# KiCad board crowkb_46.kicad_pcb
title: crowkb_46; rev: v1.0.0; company: Unknown
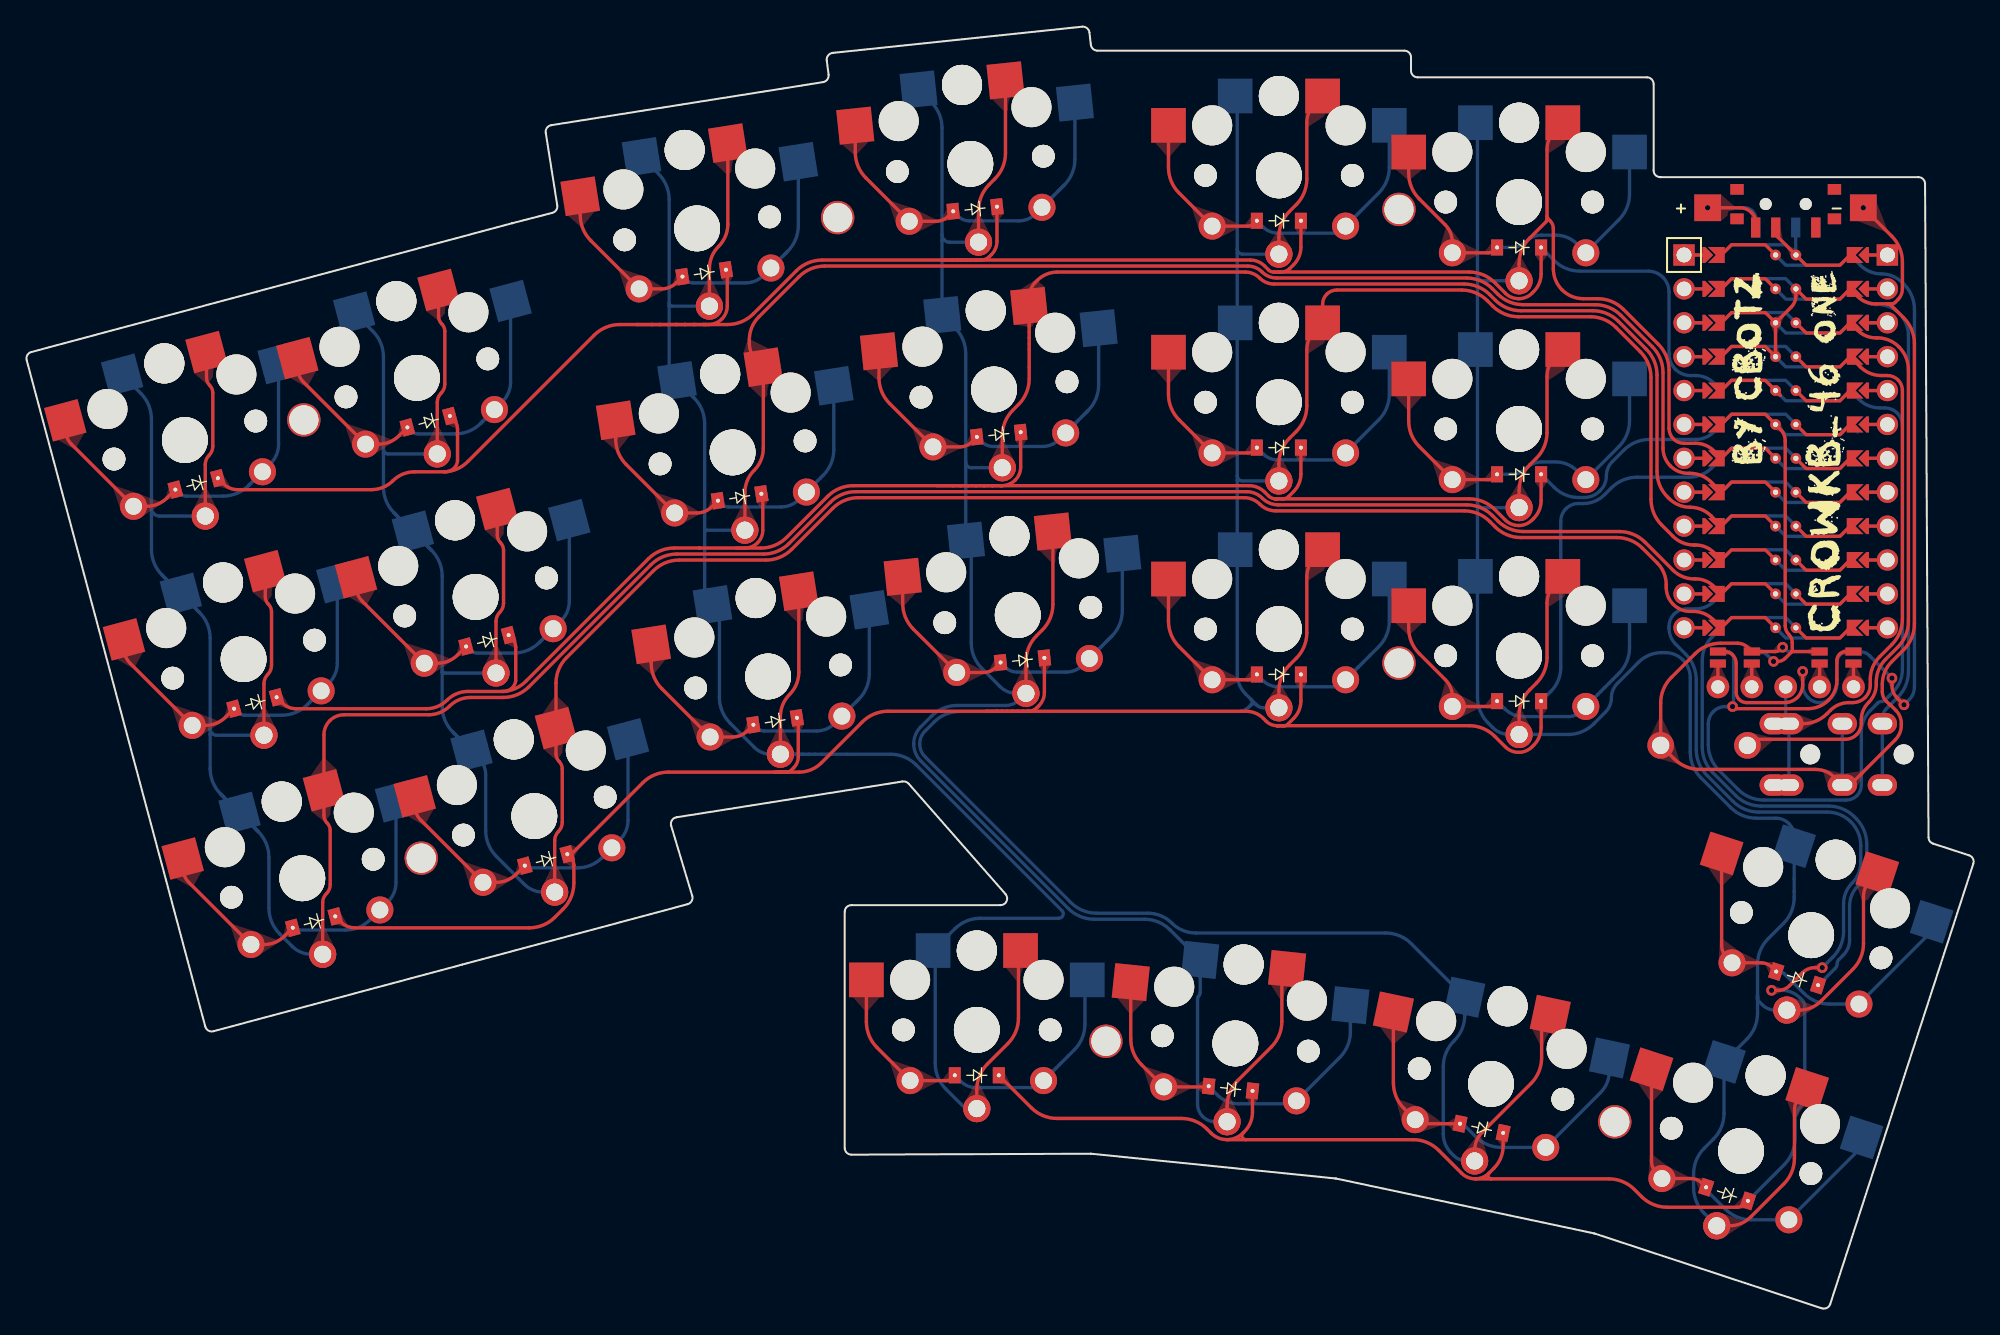
[diagram p0: board, top side]
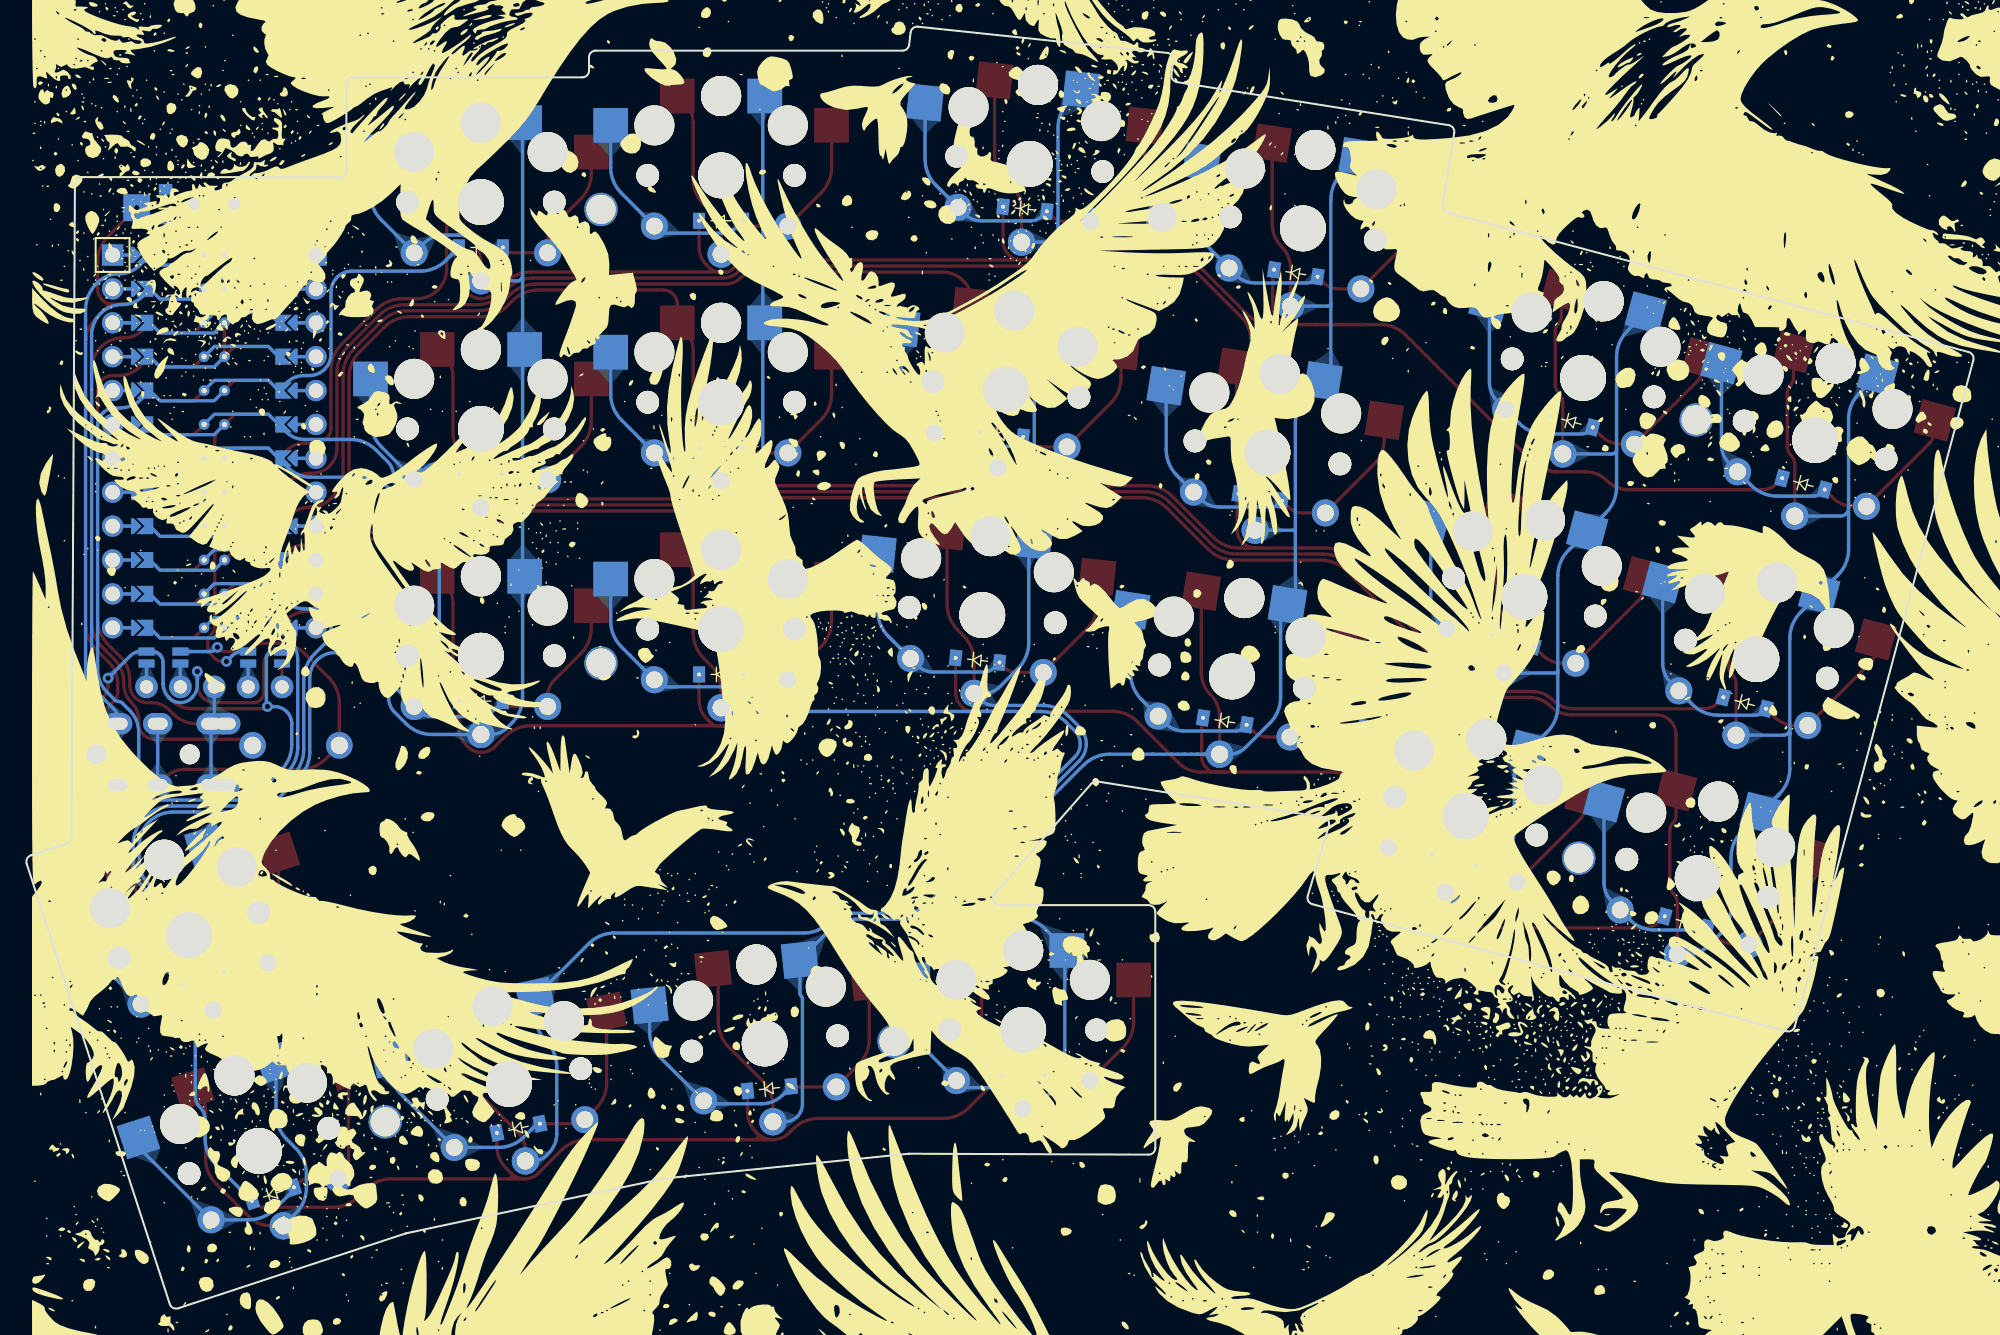
[diagram p1: board, bottom side, seen from below]

Outline 145.87 x 96.05 mm; copper layers: Top, Bottom. Coordinates in mm from the lower left corner of the outline.
Outline path: 0,71.06 arc(0.05,71.44) 0.35,71.67 36.38,81.32 arc(36.38,81.32) 36.38,81.33 39.39,82.1 arc(39.68,82.31) 39.76,82.66 38.9,88.1 arc(38.99,88.47) 39.31,88.67 59.67,91.9 arc(60,92.09) 60.09,92.45 59.95,93.53 arc(60.06,93.9) 60.4,94.09 79.09,96.05 arc(79.45,95.95) 79.64,95.61 79.74,94.7 arc(79.91,94.38) 80.24,94.26 103.24,94.26 arc(103.59,94.11) 103.74,93.76 103.74,92.76 arc(103.88,92.4) 104.24,92.26 121.42,92.26 arc(121.77,92.11) 121.92,91.76 121.92,85.28 arc(122.06,84.92) 122.42,84.78 141.76,84.78 arc(142.11,84.63) 142.26,84.28 142.52,35.3 arc(142.61,35) 142.86,34.82 145.55,33.95 arc(145.84,33.7) 145.87,33.32 135.15,0.32 arc(134.9,0.03) 134.52,0 117.5,5.6 arc(117.47,5.61) 117.45,5.62 98.13,9.72 arc(98.1,9.73) 98.08,9.73 79.78,11.58 arc(79.75,11.59) 79.72,11.59 61.8,11.52 arc(61.45,11.66) 61.3,12.02 61.3,29.72 arc(61.45,30.07) 61.8,30.22 72.98,30.22 arc(73.43,30.51) 73.35,31.05 66.09,39.32 arc(65.88,39.46) 65.64,39.48 48.7,36.8 arc(48.35,36.57) 48.29,36.16 49.87,30.91 arc(49.83,30.53) 49.52,30.29 13.99,20.77 arc(13.61,20.82) 13.38,21.12 0,71.06

## Placement (name value [footprint] x y rotation side)
_1  -  [ProMicro]  131.82 64.97 270 top
_2  -  [ComboDiode]  21.53 28.95 195 top
_3  -  [ComboDiode]  17.13 45.37 195 top
_4  -  [ComboDiode]  12.73 61.79 195 top
_5  -  [ComboDiode]  38.92 33.61 195 top
_6  -  [ComboDiode]  34.52 50.03 195 top
_7  -  [ComboDiode]  30.12 66.45 195 top
_8  -  [ComboDiode]  56.09 44 189 top
_9  -  [ComboDiode]  53.43 60.79 189 top
_10  -  [ComboDiode]  50.77 77.58 189 top
_11  -  [ComboDiode]  74.62 48.57 186 top
_12  -  [ComboDiode]  72.85 65.48 186 top
_13  -  [ComboDiode]  71.07 82.39 186 top
_14  -  [ComboDiode]  93.84 47.51 180 top
_15  -  [ComboDiode]  93.84 64.51 180 top
_16  -  [ComboDiode]  93.84 81.51 180 top
_17  -  [ComboDiode]  111.84 45.51 180 top
_18  -  [ComboDiode]  111.84 62.51 180 top
_19  -  [ComboDiode]  111.84 79.51 180 top
_20  -  [ComboDiode]  71.2 17.47 180 top
_21  -  [ComboDiode]  90.22 16.47 174 top
_22  -  [ComboDiode]  109.03 13.49 168 top
_23  -  [ComboDiode]  127.42 8.56 162 top
_24  -  [ComboDiode]  132.67 24.73 162 top
DISP1  -  [display_nice_view]  131.82 63.27 0 top
G***  LOGO  [bycbotz]  129.05 70.43 90 top
G***#2  LOGO  [crowkb_46]  134.75 60.73 90 top
G***#3  LOGO  [one]  134.65 75.03 90 top
G***#4  LOGO  [crow_splatter]  70.3 30.01 180 bottom
NOREF  -  [DrillHole]  102.84 82.36 0 top
NOREF#2  -  [DrillHole]  80.87 20.02 0 top
NOREF#3  -  [DrillHole]  29.57 33.74 15 top
NOREF#4  -  [DrillHole]  60.77 81.74 9 top
NOREF#5  -  [DrillHole]  102.84 48.36 0 top
NOREF#6  -  [DrillHole]  20.77 66.58 15 top
NOREF#7  -  [DrillHole]  119.01 13.98 342 top
PAD1  -  [SMDPad]  125.97 82.48 0 top
PAD2  -  [SMDPad]  137.63 82.48 0 top
PWR1  -  [power_switch_smd_side]  131.82 82.74 90 top
RST1  -  [reset_switch_tht_top]  125.7 42.19 0 top
S1  -  [PG1350#2]  20.65 32.23 15 top
S2  -  [PG1350#2]  16.25 48.65 15 top
S3  -  [PG1350#2]  11.85 65.07 15 top
S4  -  [PG1350#2]  38.04 36.89 15 top
S5  -  [PG1350#2]  33.64 53.31 15 top
S6  -  [PG1350#2]  29.24 69.73 15 top
S7  -  [PG1350#3]  55.56 47.35 9 top
S8  -  [PG1350#3]  52.9 64.15 9 top
S9  -  [PG1350#3]  50.24 80.94 9 top
S10  -  [PG1350#2]  74.27 51.96 6 top
S11  -  [PG1350#2]  72.49 68.86 6 top
S12  -  [PG1350#2]  70.71 85.77 6 top
S13  -  [PG1350#2]  93.84 50.91 0 top
S14  -  [PG1350#2]  93.84 67.91 0 top
S15  -  [PG1350#2]  93.84 84.91 0 top
S16  -  [PG1350#2]  111.84 48.91 0 top
S17  -  [PG1350#2]  111.84 65.91 0 top
S18  -  [PG1350#2]  111.84 82.91 0 top
S19  -  [PG1350#2]  71.2 20.87 0 top
S20  -  [PG1350#2]  90.57 19.85 354 top
S21  -  [PG1350#2]  109.73 16.82 348 top
S22  -  [PG1350#2]  128.47 11.79 342 top
S23  -  [PG1350#2]  133.72 27.96 342 top
S24  -  [PG1350]  20.65 32.23 195 top
S25  -  [PG1350]  16.25 48.65 195 top
S26  -  [PG1350]  11.85 65.07 195 top
S27  -  [PG1350]  38.04 36.89 195 top
S28  -  [PG1350]  33.64 53.31 195 top
S29  -  [PG1350]  29.24 69.73 195 top
S30  -  [PG1350]  55.56 47.35 189 top
S31  -  [PG1350]  52.9 64.15 189 top
S32  -  [PG1350]  50.24 80.94 189 top
S33  -  [PG1350]  74.27 51.96 186 top
S34  -  [PG1350]  72.49 68.86 186 top
S35  -  [PG1350]  70.71 85.77 186 top
S36  -  [PG1350]  93.84 50.91 180 top
S37  -  [PG1350]  93.84 67.91 180 top
S38  -  [PG1350]  93.84 84.91 180 top
S39  -  [PG1350]  111.84 48.91 180 top
S40  -  [PG1350]  111.84 65.91 180 top
S41  -  [PG1350]  111.84 82.91 180 top
S42  -  [PG1350]  71.2 20.87 180 top
S43  -  [PG1350]  90.57 19.85 174 top
S44  -  [PG1350]  109.73 16.82 168 top
S45  -  [PG1350]  128.47 11.79 162 top
S46  -  [PG1350]  133.72 27.96 162 top
TRRS1  -  [TRRS-PJ-320A-dual]  142.26 39.22 270 top

## Footprints (pads in the part's own frame, mm; a bottom-side part is the same pattern mirrored in y, then rotated)
ComboDiode
  rect 0.9x1.2 hole 0.3: 1(-1.65,0) 2(1.65,0)
display_nice_view
  oval 1.7x1.7 hole 1: 1(-5.08,-16.7) 2(-2.54,-16.7) 3(0,-16.7) 4(2.54,-16.7)
  round 1.7 hole 1: 5(5.08,-16.7)
  rect 1.2x0.6 smd: 10(-5.08,-14.95) 11(-2.54,-14.95) 12(2.54,-14.95) 13(5.08,-14.95) 14(-5.08,-14.05) 15(-2.54,-14.05) 16(2.54,-14.05) 17(5.08,-14.05)
  rect 1.2x0.6 smd far side: 20(5.08,-14.95) 21(2.54,-14.95) 22(-2.54,-14.95) 23(-5.08,-14.95) 24(5.08,-14.05) 25(2.54,-14.05) 26(-2.54,-14.05) 27(-5.08,-14.05)
DrillHole
  round 2.5 hole 2.2: (0,0)
PG1350
  round 1.702 hole 1.702 unplated: (-5.5,0) (5.5,0)
  round 3.429 hole 3.429 unplated: (0,0)
  round 2.032 hole 1.27: 1(-5,3.8) 1(5,3.8) 2(0,5.9) 2(0,5.9)
PG1350#2
  round 1.702 hole 1.702 unplated: (-5.5,0) (5.5,0)
  round 3 hole 3 unplated: (-5,3.75) (0,5.95) (0,5.95) (5,3.75)
  round 3.429 hole 3.429 unplated: (0,0)
  rect 2.6x2.6 smd far side: 1(-3.275,5.95) 2(8.275,3.75)
  rect 2.6x2.6 smd: 1(3.275,5.95) 2(-8.275,3.75)
PG1350#3
  round 1.702 hole 1.702 unplated: (-5.5,0) (5.5,0)
  round 3 hole 3 unplated: (-5,3.75) (0,5.95) (0,5.95) (5,3.75)
  round 3.429 hole 3.429 unplated: (0,0)
  rect 2.6x2.6 smd far side: 1(-3.275,5.95) 2(8.275,3.75)
  rect 2.6x2.6 smd: 1(3.275,5.95) 2(-8.275,3.75)
power_switch_smd_side
  rect 0.8x1 smd: (-1.085,3.65) (-1.085,-3.65) (1.125,3.65) (1.125,-3.65)
  rect 0.8x1 smd far side: (-1.085,3.65) (-1.085,-3.65) (1.125,3.65) (1.125,-3.65)
  round 0.9 hole 0.9 unplated: (0.025,1.5) (0.025,-1.5)
  rect 1.5x0.7 smd far side: 1(-1.735,2.25) 2(-1.735,-0.75) 3(-1.735,-2.25)
  rect 1.5x0.7 smd: 1(-1.735,-2.25) 2(-1.735,0.75) 3(-1.735,2.25)
ProMicro
  round 1.6 hole 1.1: (-13.97,7.62) (-13.97,-7.62) (-11.43,7.62) (-11.43,-7.62) (-8.89,7.62) (-8.89,-7.62) (-6.35,7.62) (-6.35,-7.62) (-3.81,7.62) (-3.81,-7.62) (-1.27,7.62) (-1.27,-7.62) (1.27,7.62) (1.27,-7.62) (3.81,7.62) (3.81,-7.62) (6.35,7.62) (6.35,-7.62) (8.89,7.62) (8.89,-7.62) (11.43,7.62) (11.43,-7.62) (13.97,7.62) (13.97,-7.62)
  rect 1.6x1.6 hole 1.1: (-13.97,7.62) (-13.97,-7.62)
  custom 0.25x1 smd: (-13.97,6.35) (-13.97,-6.35) (-11.43,6.35) (-11.43,-6.35) (-8.89,6.35) (-8.89,-6.35) (-6.35,6.35) (-6.35,-6.35) (-3.81,6.35) (-3.81,-6.35) (-1.27,6.35) (-1.27,-6.35) (1.27,6.35) (1.27,-6.35) (3.81,6.35) (3.81,-6.35) (6.35,6.35) (6.35,-6.35) (8.89,6.35) (8.89,-6.35) (11.43,6.35) (11.43,-6.35) (13.97,6.35) (13.97,-6.35)
  custom 0.25x1 smd far side: (-13.97,6.35) (-13.97,-6.35) (-11.43,6.35) (-11.43,-6.35) (-8.89,6.35) (-8.89,-6.35) (-6.35,6.35) (-6.35,-6.35) (-3.81,6.35) (-3.81,-6.35) (-1.27,6.35) (-1.27,-6.35) (1.27,6.35) (1.27,-6.35) (3.81,6.35) (3.81,-6.35) (6.35,6.35) (6.35,-6.35) (8.89,6.35) (8.89,-6.35) (11.43,6.35) (11.43,-6.35) (13.97,6.35) (13.97,-6.35)
  custom 1.2x0.8 smd: (-13.97,5.842) (-13.97,-5.842) (-11.43,5.842) (-11.43,-5.842) (-8.89,5.842) (-8.89,-5.842) (-6.35,5.842) (-6.35,-5.842) (-3.81,5.842) (-3.81,-5.842) (-1.27,5.842) (-1.27,-5.842) (1.27,5.842) (1.27,-5.842) (3.81,5.842) (3.81,-5.842) (6.35,5.842) (6.35,-5.842) (8.89,5.842) (8.89,-5.842) (11.43,5.842) (11.43,-5.842) (13.97,5.842) (13.97,-5.842)
  custom 1.2x0.8 smd far side: (-13.97,5.842) (-13.97,-5.842) (-11.43,5.842) (-11.43,-5.842) (-8.89,5.842) (-8.89,-5.842) (-6.35,5.842) (-6.35,-5.842) (-3.81,5.842) (-3.81,-5.842) (-1.27,5.842) (-1.27,-5.842) (1.27,5.842) (1.27,-5.842) (3.81,5.842) (3.81,-5.842) (6.35,5.842) (6.35,-5.842) (8.89,5.842) (8.89,-5.842) (11.43,5.842) (11.43,-5.842) (13.97,5.842) (13.97,-5.842)
  custom 1.2x1.25 smd: 1(-13.97,4.826) 2(-11.43,4.826) 3(-8.89,4.826) 4(-6.35,4.826) 5(-3.81,4.826) 6(-1.27,4.826) 7(1.27,4.826) 8(3.81,4.826) 9(6.35,4.826) 10(8.89,4.826) 11(11.43,4.826) 12(13.97,4.826) 13(13.97,-4.826) 14(11.43,-4.826) 15(8.89,-4.826) 16(6.35,-4.826) 17(3.81,-4.826) 18(1.27,-4.826) 19(-1.27,-4.826) 20(-3.81,-4.826) 21(-6.35,-4.826) 22(-8.89,-4.826) 23(-11.43,-4.826) 24(-13.97,-4.826)
  custom 1.016x4.314 smd: 1(-13.97,0.762) 2(-11.43,0.762) 3(-8.89,0.762) 4(-6.35,0.762) 5(-3.81,0.762) 6(-1.27,0.762) 7(1.27,0.762) 8(3.81,0.762) 9(6.35,0.762) 10(8.89,0.762) 11(11.43,0.762) 12(13.97,0.762)
  custom 1.016x5.838 smd far side: 1(-13.97,0.762) 2(-11.43,0.762) 3(-8.89,0.762) 4(-6.35,0.762) 5(-3.81,0.762) 6(-1.27,0.762) 7(1.27,0.762) 8(3.81,0.762) 9(6.35,0.762) 10(8.89,0.762) 11(11.43,0.762) 12(13.97,0.762) 13(13.97,-0.762) 14(11.43,-0.762) 15(8.89,-0.762) 16(6.35,-0.762) 17(3.81,-0.762) 18(1.27,-0.762) 19(-1.27,-0.762) 20(-3.81,-0.762) 21(-6.35,-0.762) 22(-8.89,-0.762) 23(-11.43,-0.762) 24(-13.97,-0.762)
  round 0.8 hole 0.4: 1(-13.97,0.762) 2(-11.43,0.762) 3(-8.89,0.762) 4(-6.35,0.762) 5(-3.81,0.762) 6(-1.27,0.762) 7(1.27,0.762) 8(3.81,0.762) 9(6.35,0.762) 10(8.89,0.762) 11(11.43,0.762) 12(13.97,0.762) 13(13.97,-0.762) 14(11.43,-0.762) 15(8.89,-0.762) 16(6.35,-0.762) 17(3.81,-0.762) 18(1.27,-0.762) 19(-1.27,-0.762) 20(-3.81,-0.762) 21(-6.35,-0.762) 22(-8.89,-0.762) 23(-11.43,-0.762) 24(-13.97,-0.762)
  custom 1.2x1.25 smd far side: 1(-13.97,-4.826) 2(-11.43,-4.826) 3(-8.89,-4.826) 4(-6.35,-4.826) 5(-3.81,-4.826) 6(-1.27,-4.826) 7(1.27,-4.826) 8(3.81,-4.826) 9(6.35,-4.826) 10(8.89,-4.826) 11(11.43,-4.826) 12(13.97,-4.826) 13(13.97,4.826) 14(11.43,4.826) 15(8.89,4.826) 16(6.35,4.826) 17(3.81,4.826) 18(1.27,4.826) 19(-1.27,4.826) 20(-3.81,4.826) 21(-6.35,4.826) 22(-8.89,4.826) 23(-11.43,4.826) 24(-13.97,4.826)
  custom 1.012x4.314 smd: 13(13.97,-0.762) 14(11.43,-0.762) 15(8.89,-0.762) 16(6.35,-0.762) 17(3.81,-0.762) 18(1.27,-0.762) 19(-1.27,-0.762) 20(-3.81,-0.762) 21(-6.35,-0.762) 22(-8.89,-0.762) 23(-11.43,-0.762) 24(-13.97,-0.762)
reset_switch_tht_top
  round 2 hole 1.3: 1(3.25,0) 2(-3.25,0)
SMDPad
  rect 2x2 smd: 1(0,0)
  rect 2x2 smd far side: 1(0,0)
TRRS-PJ-320A-dual
  round 1.5 hole 1.5 unplated: (-2.3,-1.6) (-2.3,-8.6)
  oval 1.6x2.2 hole 0.9x1.5: 1(-4.6,-11.3) 1(0,-11.3) 2(-4.6,-10.2) 2(0,-10.2) 3(-4.6,-6.2) 3(0,-6.2) 4(-4.6,-3.2) 4(0,-3.2)

## Nets
GND=: _1.2 _1.21 _1.22 DISP1.15 DISP1.25 PAD2.1 RST1.2 TRRS1.3
VCC: _1.4 DISP1.3 TRRS1.1 TRRS1.2
BAT_P: PAD1.1 PWR1.1 PWR1.3
DISP1_1: DISP1.1 DISP1.10 DISP1.23
DISP1_2: DISP1.2 DISP1.11 DISP1.22
DISP1_4: DISP1.4 DISP1.12 DISP1.21
DISP1_5: DISP1.5 DISP1.13 DISP1.20
far_esc: _24.2 S23.2 S46.1
far_thumb: _23.2 S22.2 S45.1
home_thumb: _22.2 S21.2 S44.1
index_bottom: _14.2 S13.2 S36.1
index_home: _15.2 S14.2 S37.1
index_top: _16.2 S15.2 S38.1
inner_bottom: _17.2 S16.2 S39.1
inner_home: _18.2 S17.2 S40.1
inner_top: _19.2 S18.2 S41.1
middle_bottom: _11.2 S10.2 S33.1
middle_home: _12.2 S11.2 S34.1
middle_top: _13.2 S12.2 S35.1
mod_bottom: _2.2 S1.2 S24.1
mod_home: _3.2 S2.2 S25.1
mod_thumb: _20.2 S19.2 S42.1
mod_top: _4.2 S3.2 S26.1
near_thumb: _21.2 S20.2 S43.1
P0: _1.23 TRRS1.4
P1: _1.24 DISP1.14 DISP1.24
P2: _1.20 DISP1.17 DISP1.27
P3: _1.19 DISP1.16 DISP1.26
P4: _1.18 S16.1 S17.1 S18.1 S22.1 S23.1 S39.2 S40.2 S41.2 S45.2 S46.2
P5: _1.17 S7.1 S8.1 S9.1 S19.1 S30.2 S31.2 S32.2 S42.2
P6: _1.16 S10.1 S11.1 S12.1 S20.1 S33.2 S34.2 S35.2 S43.2
P7: _1.15 S13.1 S14.1 S15.1 S21.1 S36.2 S37.2 S38.2 S44.2
P8: _1.14 S1.1 S2.1 S3.1 S24.2 S25.2 S26.2
P9: _1.13 S4.1 S5.1 S6.1 S27.2 S28.2 S29.2
P10: _1.12 _24.1
P14: _1.10
P15: _1.9
P16: _1.11 _20.1 _21.1 _22.1 _23.1
P18: _1.8
P19: _1.7 _2.1 _5.1 _8.1 _11.1 _14.1 _17.1
P20: _1.6 _3.1 _6.1 _9.1 _12.1 _15.1 _18.1
P21: _1.5 _4.1 _7.1 _10.1 _13.1 _16.1 _19.1
pinky_bottom: _5.2 S4.2 S27.1
pinky_home: _6.2 S5.2 S28.1
pinky_top: _7.2 S6.2 S29.1
RAW: _1.1 PWR1.2
ring_bottom: _8.2 S7.2 S30.1
ring_home: _9.2 S8.2 S31.1
ring_top: _10.2 S9.2 S32.1
RST: _1.3 RST1.1

## Via types
v1: diameter 0.8, hole 0.4, Top to Bottom, 10 vias

## Routing (per net, layer and track width the routed paths; a pad name or vN(x,y) marks a point on that pad's centre or on a via; arc(x,y) is an arc through that point)
GND=: length 95.2
  Top w0.25: _1.2 132.58,75.89 arc(132.49,75.42) 132.22,75.03 _1.22 _1.21 ; 139.47,75.28 138.56,75.28 arc(137.83,75.42) 137.2,75.84 _1.2 ; 139.47,75.28 139.76,75.28 ; 139.47,75.28 arc(139.6,75.25) 139.71,75.17 ; v1(137.63,82.48) 139.76,80.35 arc(140.35,79.46) 140.56,78.42 140.56,76.4 arc(140.48,75.97) 140.23,75.61 140,75.38 arc(139.89,75.3) 139.76,75.28 ; 139.71,75.17 140.66,74.22 arc(141.25,73.34) 141.46,72.3 141.46,51.29 arc(141.25,50.25) 140.66,49.37 139.75,48.45 arc(139.23,47.68) 139.05,46.77 139.05,46.19 arc(139.13,45.82) 139.33,45.51 139.6,45.24 arc(139.62,45.23) 139.63,45.23 arc(139.65,45.23) 139.67,45.22 140.07,44.82 arc(140.37,44.36) 140.48,43.82 140.48,43.73 arc(140.36,43.11) 140.01,42.58 136.84,39.42 arc(136.62,39.27) 136.35,39.22 arc(136.08,39.27) 135.85,39.42 135.47,39.8 arc(134.82,40.24) 134.06,40.39 125.38,40.39 arc(124.34,40.59) 123.45,41.18 RST1.2 122.45,45.35 arc(122.65,46.4) 123.24,47.28 125.01,49.05 arc(125.9,49.64) 126.94,49.85 128.21,49.85 arc(128.62,49.77) 128.96,49.53 DISP1.15 131.03,49.22 arc(131.24,49.26) 131.42,49.38 v1(131.58,49.54) ; 139.71,75.17 arc(139.7,75.24) 139.76,75.28
  Bottom w0.25: TRRS1.3 TRRS1.3 ; v1(131.58,49.54) 131.74,49.38 arc(131.92,49.26) 132.13,49.22 DISP1.25
VCC: length 42.6
  Top w0.25: TRRS1.2 133.11,43.82 arc(134.09,44.01) 134.91,44.56 135.17,44.82 arc(135.81,45.25) 136.56,45.4 136.84,45.4 arc(137.34,45.5) 137.77,45.78 arc(138.05,46.21) 138.15,46.71 138.15,47.15 arc(138.33,48.05) 138.85,48.82 139.76,49.74 arc(140.35,50.62) 140.56,51.66 140.56,68.78 arc(140.48,69.21) 140.23,69.58 arc(139.87,69.82) 139.44,69.91 138.98,69.91 arc(138.13,70.08) 137.41,70.56 _1.4
  Bottom w0.25: TRRS1.2 132.06,43.65 arc(132.03,43.8) 131.94,43.94 arc(131.85,44.07) 131.82,44.23 DISP1.3
BAT_P: length 9.4
  Top w0.25: v1(125.97,82.48) 128.41,82.48 arc(128.85,82.39) 129.23,82.14 129.28,82.08 arc(129.49,81.77) 129.57,81.4 PWR1.1
  Bottom w0.25: PWR1.1 129.57,81.66 arc(129.5,81.98) 129.33,82.24 arc(129.06,82.42) 128.75,82.48 v1(125.97,82.48) ; 126.15,82.29 126.15,82.23
DISP1_1: length 1.8
  Top w0.25: DISP1.1 DISP1.10
DISP1_2: length 3.5
  Top w0.25: DISP1.2 DISP1.11
  Bottom w0.25: DISP1.2 DISP1.11
DISP1_4: length 3.5
  Top w0.25: DISP1.4 DISP1.12
  Bottom w0.25: DISP1.4 DISP1.12
DISP1_5: length 3.5
  Top w0.25: DISP1.5 DISP1.13
  Bottom w0.25: DISP1.5 DISP1.13
far_esc: length 27.4
  Top w0.25: S23.2 127.01,27.23 arc(127.11,26.72) 127.4,26.28 arc(127.84,26) 128.35,25.89 129.99,25.89 arc(130.41,25.81) 130.78,25.57 _24.2
  Bottom w0.25: S23.2 142.75,28.61 arc(142.69,28.28) 142.5,28 S46.1 135.11,22.8 arc(134.07,23.01) 133.18,23.6 131.7,25.08 arc(131.53,25.2) 131.32,25.24 _24.2
far_thumb: length 27.5
  Top w0.25: S22.2 121.76,11.06 arc(121.86,10.55) 122.15,10.12 arc(122.58,9.83) 123.09,9.73 124.73,9.73 arc(125.16,9.64) 125.52,9.4 _23.2
  Bottom w0.25: _23.2 125.85,8.97 arc(125.87,8.88) 125.92,8.81 127.29,7.43 arc(128.18,6.84) 129.22,6.64 S45.1 137.24,11.83 arc(137.43,12.11) 137.5,12.44 S22.2
home_thumb: length 27.7
  Top w0.25: S21.2 102.42,16.9 arc(102.62,15.86) 103.21,14.97 104.05,14.14 arc(104.05,14.14) 104.06,14.14 arc(104.06,14.14) 104.06,14.13 104.21,13.99 arc(104.38,13.87) 104.58,13.83 _22.2
  Bottom w0.25: _22.2 107.51,13.83 arc(107.61,13.81) 107.69,13.76 108.59,12.86 arc(109.47,12.27) 110.51,12.06 S44.1 117.92,16.15 arc(118.43,16.91) 118.61,17.8 S21.2
index_bottom: length 28.2
  Top w0.25: _14.2 91.99,47.31 arc(91.76,47.16) 91.5,47.11 S36.1 86.36,49.58 arc(85.77,50.47) 85.56,51.51 S13.2
  Bottom w0.25: _14.2 92.65,47.04 arc(93.16,46.7) 93.77,46.58 97.94,46.58 arc(98.28,46.65) 98.57,46.84 S36.1 101.31,49.58 arc(101.9,50.47) 102.11,51.51 S13.2
index_home: length 28.2
  Top w0.25: _15.2 91.99,64.31 arc(91.76,64.16) 91.5,64.11 S37.1 86.36,66.58 arc(85.77,67.47) 85.56,68.51 S14.2
  Bottom w0.25: _15.2 92.65,64.04 arc(93.16,63.7) 93.77,63.58 97.94,63.58 arc(98.28,63.65) 98.57,63.84 S37.1 101.31,66.58 arc(101.9,67.47) 102.11,68.51 S14.2
index_top: length 28.2
  Top w0.25: _16.2 91.99,81.31 arc(91.76,81.16) 91.5,81.11 S38.1 86.36,83.58 arc(85.77,84.47) 85.56,85.51 S15.2
  Bottom w0.25: S15.2 102.11,85.51 arc(101.9,84.47) 101.31,83.58 S38.1 98.57,80.84 arc(98.28,80.65) 97.94,80.58 93.77,80.58 arc(93.16,80.7) 92.65,81.04 _16.2
inner_bottom: length 28
  Top w0.25: S16.2 103.56,50.99 arc(103.77,49.94) 104.36,49.06 106.31,47.11 arc(106.7,46.53) 106.84,45.85 arc(107.05,45.32) 107.58,45.11 109.5,45.11 arc(109.76,45.16) 109.99,45.31 _17.2
  Bottom w0.25: S16.2 120.11,49.51 arc(119.9,48.47) 119.31,47.58 S39.1 116.46,44.73 arc(116.04,44.45) 115.54,44.35 112.17,44.35 arc(111.41,44.5) 110.77,44.93 _17.2
inner_home: length 28.2
  Top w0.25: S17.2 103.56,66.51 arc(103.77,65.47) 104.36,64.58 S40.1 109.5,62.11 arc(109.76,62.16) 109.99,62.31 _18.2
  Bottom w0.25: S17.2 120.11,66.51 arc(119.9,65.47) 119.31,64.58 117.17,62.44 arc(116.84,62.3) 116.51,62.44 116.17,62.77 arc(115.44,63.26) 114.57,63.43 113.51,63.43 arc(112.9,63.31) 112.39,62.97 arc(111.88,62.63) 111.27,62.51 _18.2
inner_top: length 28.3
  Top w0.25: _19.2 109.99,79.31 arc(109.76,79.16) 109.5,79.11 107.23,79.11 arc(106.95,79.22) 106.84,79.5 106.84,79.89 arc(106.69,80.61) 106.28,81.22 104.36,83.15 arc(103.77,84.03) 103.56,85.07 103.56,86.06 arc(103.72,86.29) 103.99,86.23 104.41,85.81
  Bottom w0.25: S18.2 120.11,83.51 arc(119.9,82.47) 119.31,81.58 117.5,79.77 arc(116.84,79.49) 116.17,79.77 arc(115.44,80.26) 114.57,80.43 113.51,80.43 arc(112.9,80.31) 112.39,79.97 arc(111.88,79.63) 111.27,79.51 _19.2
middle_bottom: length 28.3
  Top w0.25: S10.2 65.65,52.83 arc(65.85,51.79) 66.44,50.9 S33.1 71.7,47.65 arc(72.19,47.75) 72.61,48.03 _11.2
  Bottom w0.25: S10.2 82.1,52.29 arc(81.9,51.25) 81.31,50.37 79.13,48.19 arc(78.57,47.82) 77.9,47.68 74.21,47.68 arc(73.74,47.78) 73.34,48.04 _11.2
middle_home: length 28.3
  Top w0.25: S11.2 63.87,69.73 arc(64.08,68.69) 64.67,67.81 S34.1 69.93,64.56 arc(70.42,64.66) 70.83,64.94 _12.2
  Bottom w0.25: _12.2 71.56,64.95 arc(71.96,64.68) 72.43,64.59 76.13,64.59 arc(76.79,64.72) 77.35,65.1 79.53,67.28 arc(80.12,68.16) 80.33,69.2 S11.2
middle_top: length 28.3
  Top w0.25: S12.2 62.09,86.64 arc(62.3,85.6) 62.89,84.72 S35.1 68.15,81.47 arc(68.64,81.57) 69.05,81.84 _13.2
  Bottom w0.25: _13.2 69.79,81.86 arc(70.18,81.59) 70.65,81.5 74.35,81.5 arc(75.01,81.63) 75.57,82.01 77.75,84.18 arc(78.34,85.07) 78.55,86.11 S12.2